# Altium PCB RockerBox_Rev01.PcbDoc (part 1 of 8) (continued)
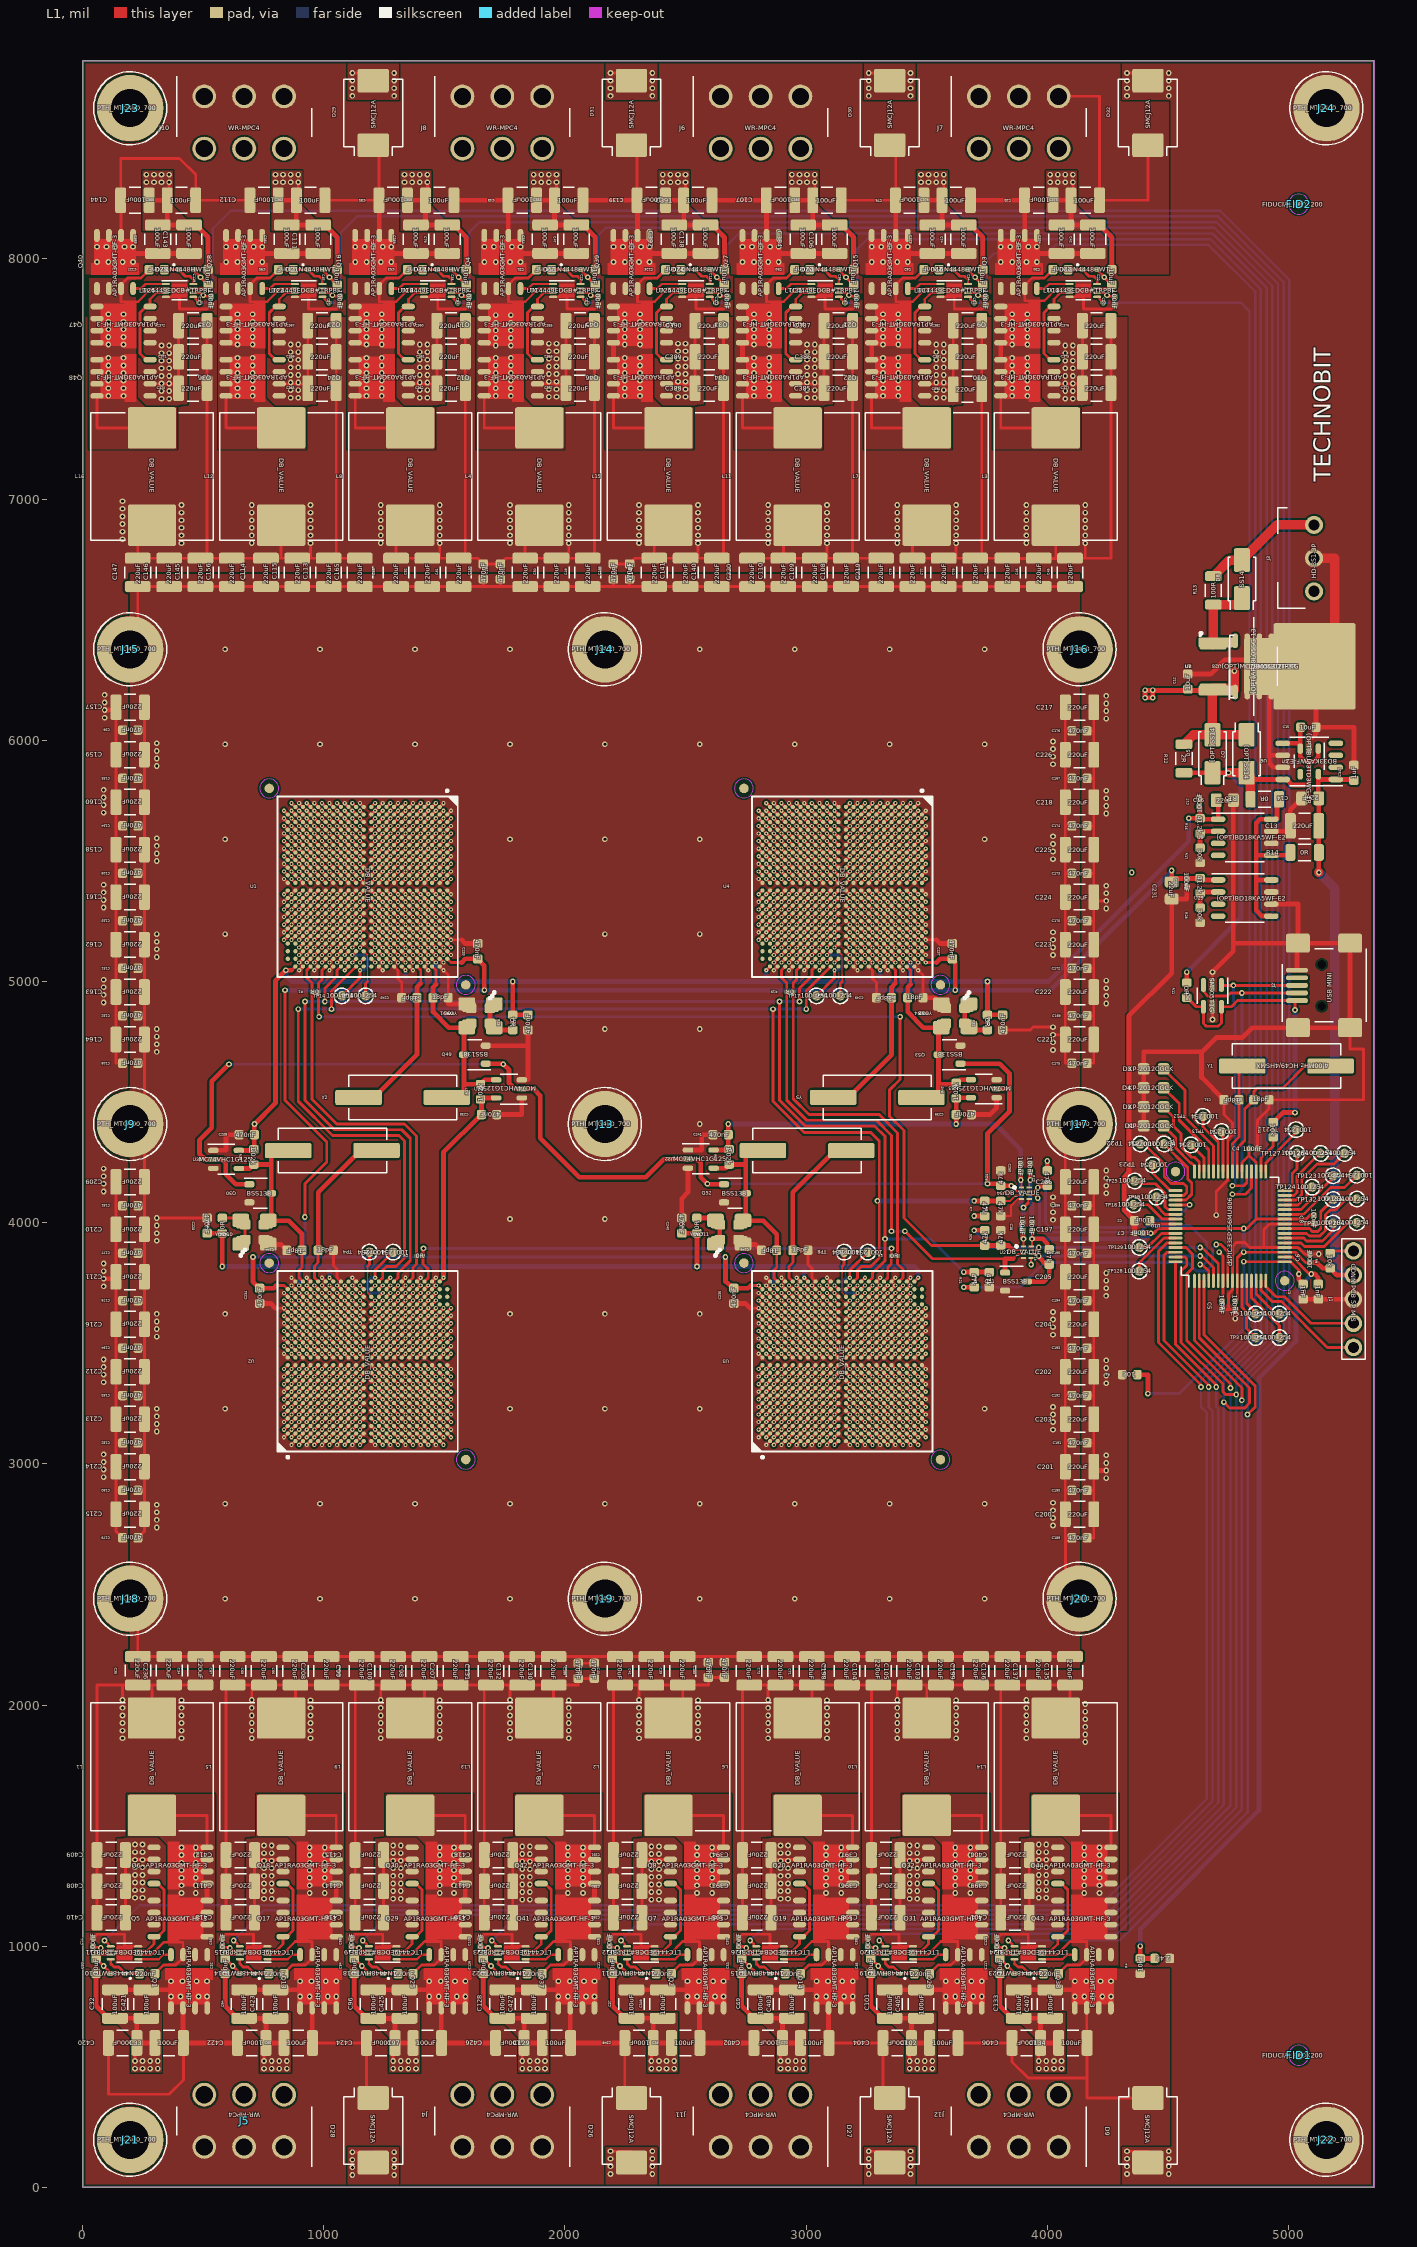
[diagram p0: L1 view]
## Design rules (kind name [scope] priority, off if disabled: settings) (continued)
PlaneConnect "Power Plane Connect Style for J7-4" [(Name='J7-4')] p11: planeconnectstyle=Relief reliefexpansion=13.78 reliefentries=4 reliefconductorwidth=14.96 reliefairgap=10
PlaneConnect "Power Plane Connect Style for J7-3" [(Name='J7-3')] p12: planeconnectstyle=Relief reliefexpansion=13.78 reliefentries=4 reliefconductorwidth=14.96 reliefairgap=10
PlaneConnect "Power Plane Connect Style for J7-2" [(Name='J7-2')] p13: planeconnectstyle=Relief reliefexpansion=13.78 reliefentries=4 reliefconductorwidth=14.96 reliefairgap=10
PlaneConnect "Power Plane Connect Style for J7-1" [(Name='J7-1')] p14: planeconnectstyle=Relief reliefexpansion=13.78 reliefentries=4 reliefconductorwidth=14.96 reliefairgap=10
PlaneConnect "Power Plane Connect Style for J6-6" [(Name='J6-6')] p15: planeconnectstyle=Relief reliefexpansion=13.78 reliefentries=4 reliefconductorwidth=14.96 reliefairgap=10
PlaneConnect "Power Plane Connect Style for J6-5" [(Name='J6-5')] p16: planeconnectstyle=Relief reliefexpansion=13.78 reliefentries=4 reliefconductorwidth=14.96 reliefairgap=10
PlaneConnect "Power Plane Connect Style for J6-4" [(Name='J6-4')] p17: planeconnectstyle=Relief reliefexpansion=13.78 reliefentries=4 reliefconductorwidth=14.96 reliefairgap=10
PlaneConnect "Power Plane Connect Style for J6-3" [(Name='J6-3')] p18: planeconnectstyle=Relief reliefexpansion=13.78 reliefentries=4 reliefconductorwidth=14.96 reliefairgap=10
PlaneConnect "Power Plane Connect Style for J6-2" [(Name='J6-2')] p19: planeconnectstyle=Relief reliefexpansion=13.78 reliefentries=4 reliefconductorwidth=14.96 reliefairgap=10
PlaneConnect "Power Plane Connect Style for J6-1" [(Name='J6-1')] p20: planeconnectstyle=Relief reliefexpansion=13.78 reliefentries=4 reliefconductorwidth=14.96 reliefairgap=10
PlaneConnect "Power Plane Connect Style for J5-6" [(Name='J5-6')] p21: planeconnectstyle=Relief reliefexpansion=13.78 reliefentries=4 reliefconductorwidth=14.96 reliefairgap=10
PlaneConnect "Power Plane Connect Style for J5-5" [(Name='J5-5')] p22: planeconnectstyle=Relief reliefexpansion=13.78 reliefentries=4 reliefconductorwidth=14.96 reliefairgap=10
PlaneConnect "Power Plane Connect Style for J5-4" [(Name='J5-4')] p23: planeconnectstyle=Relief reliefexpansion=13.78 reliefentries=4 reliefconductorwidth=14.96 reliefairgap=10
PlaneConnect "Power Plane Connect Style for J5-3" [(Name='J5-3')] p24: planeconnectstyle=Relief reliefexpansion=13.78 reliefentries=4 reliefconductorwidth=14.96 reliefairgap=10
PlaneConnect "Power Plane Connect Style for J5-2" [(Name='J5-2')] p25: planeconnectstyle=Relief reliefexpansion=13.78 reliefentries=4 reliefconductorwidth=14.96 reliefairgap=10
PlaneConnect "Power Plane Connect Style for J5-1" [(Name='J5-1')] p26: planeconnectstyle=Relief reliefexpansion=13.78 reliefentries=4 reliefconductorwidth=14.96 reliefairgap=10
PlaneConnect "Power Plane Connect Style for J4-6" [(Name='J4-6')] p27: planeconnectstyle=Relief reliefexpansion=13.78 reliefentries=4 reliefconductorwidth=14.96 reliefairgap=10
PlaneConnect "Power Plane Connect Style for J4-5" [(Name='J4-5')] p28: planeconnectstyle=Relief reliefexpansion=13.78 reliefentries=4 reliefconductorwidth=14.96 reliefairgap=10
PlaneConnect "Power Plane Connect Style for J4-4" [(Name='J4-4')] p29: planeconnectstyle=Relief reliefexpansion=13.78 reliefentries=4 reliefconductorwidth=14.96 reliefairgap=10
PlaneConnect "Power Plane Connect Style for J4-3" [(Name='J4-3')] p30: planeconnectstyle=Relief reliefexpansion=13.78 reliefentries=4 reliefconductorwidth=14.96 reliefairgap=10
PlaneConnect "Power Plane Connect Style for J4-2" [(Name='J4-2')] p31: planeconnectstyle=Relief reliefexpansion=13.78 reliefentries=4 reliefconductorwidth=14.96 reliefairgap=10
PlaneConnect "Power Plane Connect Style for J4-1" [(Name='J4-1')] p32: planeconnectstyle=Relief reliefexpansion=13.78 reliefentries=4 reliefconductorwidth=14.96 reliefairgap=10
PlaneConnect "Power Plane Connect Style for J3-1" [(Name='J3-1')] p33: planeconnectstyle=Relief reliefexpansion=11.81 reliefentries=4 reliefconductorwidth=11.42 reliefairgap=7.87
PlaneConnect "Power Plane Connect Style for J24-1" [(Name='J24-1')] p34: planeconnectstyle=Relief reliefexpansion=11.81 reliefentries=4 reliefconductorwidth=27.56 reliefairgap=10
PlaneConnect "Power Plane Connect Style for J23-1" [(Name='J23-1')] p35: planeconnectstyle=Relief reliefexpansion=11.81 reliefentries=4 reliefconductorwidth=27.56 reliefairgap=10
PlaneConnect "Power Plane Connect Style for J22-1" [(Name='J22-1')] p36: planeconnectstyle=Relief reliefexpansion=11.81 reliefentries=4 reliefconductorwidth=27.56 reliefairgap=10
PlaneConnect "Power Plane Connect Style for J21-1" [(Name='J21-1')] p37: planeconnectstyle=Relief reliefexpansion=11.81 reliefentries=4 reliefconductorwidth=27.56 reliefairgap=10
PlaneConnect "Power Plane Connect Style for J20-1" [(Name='J20-1')] p38: planeconnectstyle=Relief reliefexpansion=11.81 reliefentries=4 reliefconductorwidth=27.56 reliefairgap=10
PlaneConnect "Power Plane Connect Style - pads with no thermal" [(Name='J2-10') Or (Name='J2-11')] p39: planeconnectstyle=NoConnect reliefexpansion=20 reliefentries=4 reliefconductorwidth=10 reliefairgap=10 // PAD - No Thermal Connect Rule
PlaneConnect "Power Plane Connect Style for J19-1" [(Name='J19-1')] p40: planeconnectstyle=Relief reliefexpansion=11.81 reliefentries=4 reliefconductorwidth=27.56 reliefairgap=10
PlaneConnect "Power Plane Connect Style for J18-1" [(Name='J18-1')] p41: planeconnectstyle=Relief reliefexpansion=11.81 reliefentries=4 reliefconductorwidth=27.56 reliefairgap=10
PlaneConnect "Power Plane Connect Style for J17-1" [(Name='J17-1')] p42: planeconnectstyle=Relief reliefexpansion=11.81 reliefentries=4 reliefconductorwidth=27.56 reliefairgap=10
PlaneConnect "Power Plane Connect Style for J16-1" [(Name='J16-1')] p43: planeconnectstyle=Relief reliefexpansion=11.81 reliefentries=4 reliefconductorwidth=27.56 reliefairgap=10
PlaneConnect "Power Plane Connect Style for J15-1" [(Name='J15-1')] p44: planeconnectstyle=Relief reliefexpansion=11.81 reliefentries=4 reliefconductorwidth=27.56 reliefairgap=10
PlaneConnect "Power Plane Connect Style for J14-1" [(Name='J14-1')] p45: planeconnectstyle=Relief reliefexpansion=11.81 reliefentries=4 reliefconductorwidth=27.56 reliefairgap=10
PlaneConnect "Power Plane Connect Style for J13-1" [(Name='J13-1')] p46: planeconnectstyle=Relief reliefexpansion=11.81 reliefentries=4 reliefconductorwidth=27.56 reliefairgap=10
PlaneConnect "Power Plane Connect Style for J12-6" [(Name='J12-6')] p47: planeconnectstyle=Relief reliefexpansion=13.78 reliefentries=4 reliefconductorwidth=14.96 reliefairgap=10
PlaneConnect "Power Plane Connect Style for J12-5" [(Name='J12-5')] p48: planeconnectstyle=Relief reliefexpansion=13.78 reliefentries=4 reliefconductorwidth=14.96 reliefairgap=10
PlaneConnect "Power Plane Connect Style for J12-4" [(Name='J12-4')] p49: planeconnectstyle=Relief reliefexpansion=13.78 reliefentries=4 reliefconductorwidth=14.96 reliefairgap=10
PlaneConnect "Power Plane Connect Style for J12-3" [(Name='J12-3')] p50: planeconnectstyle=Relief reliefexpansion=13.78 reliefentries=4 reliefconductorwidth=14.96 reliefairgap=10
PlaneConnect "Power Plane Connect Style for J12-2" [(Name='J12-2')] p51: planeconnectstyle=Relief reliefexpansion=13.78 reliefentries=4 reliefconductorwidth=14.96 reliefairgap=10
PlaneConnect "Power Plane Connect Style for J12-1" [(Name='J12-1')] p52: planeconnectstyle=Relief reliefexpansion=13.78 reliefentries=4 reliefconductorwidth=14.96 reliefairgap=10
PlaneConnect "Power Plane Connect Style for J11-6" [(Name='J11-6')] p53: planeconnectstyle=Relief reliefexpansion=13.78 reliefentries=4 reliefconductorwidth=14.96 reliefairgap=10
PlaneConnect "Power Plane Connect Style for J11-5" [(Name='J11-5')] p54: planeconnectstyle=Relief reliefexpansion=13.78 reliefentries=4 reliefconductorwidth=14.96 reliefairgap=10
PlaneConnect "Power Plane Connect Style for J11-4" [(Name='J11-4')] p55: planeconnectstyle=Relief reliefexpansion=13.78 reliefentries=4 reliefconductorwidth=14.96 reliefairgap=10
PlaneConnect "Power Plane Connect Style for J11-3" [(Name='J11-3')] p56: planeconnectstyle=Relief reliefexpansion=13.78 reliefentries=4 reliefconductorwidth=14.96 reliefairgap=10
PlaneConnect "Power Plane Connect Style for J11-2" [(Name='J11-2')] p57: planeconnectstyle=Relief reliefexpansion=13.78 reliefentries=4 reliefconductorwidth=14.96 reliefairgap=10
PlaneConnect "Power Plane Connect Style for J11-1" [(Name='J11-1')] p58: planeconnectstyle=Relief reliefexpansion=13.78 reliefentries=4 reliefconductorwidth=14.96 reliefairgap=10
PlaneConnect "Power Plane Connect Style for J10-6" [(Name='J10-6')] p59: planeconnectstyle=Relief reliefexpansion=13.78 reliefentries=4 reliefconductorwidth=14.96 reliefairgap=10
PlaneConnect "Power Plane Connect Style for J10-5" [(Name='J10-5')] p60: planeconnectstyle=Relief reliefexpansion=13.78 reliefentries=4 reliefconductorwidth=14.96 reliefairgap=10
PlaneConnect "Power Plane Connect Style for J10-4" [(Name='J10-4')] p61: planeconnectstyle=Relief reliefexpansion=13.78 reliefentries=4 reliefconductorwidth=14.96 reliefairgap=10
PlaneConnect "Power Plane Connect Style for J10-3" [(Name='J10-3')] p62: planeconnectstyle=Relief reliefexpansion=13.78 reliefentries=4 reliefconductorwidth=14.96 reliefairgap=10
PlaneConnect "Power Plane Connect Style for J10-2" [(Name='J10-2')] p63: planeconnectstyle=Relief reliefexpansion=13.78 reliefentries=4 reliefconductorwidth=14.96 reliefairgap=10
PlaneConnect "Power Plane Connect Style for J10-1" [(Name='J10-1')] p64: planeconnectstyle=Relief reliefexpansion=13.78 reliefentries=4 reliefconductorwidth=14.96 reliefairgap=10
PlaneConnect "Power Plane Connect Style for J1-1" [(Name='J1-1')] p65: planeconnectstyle=Relief reliefexpansion=11.81 reliefentries=4 reliefconductorwidth=11.02 reliefairgap=7.87
PlaneConnect "Power Plane Connect Style - Via from round thru-hole global defaults" [IsVia] p66: planeconnectstyle=Relief reliefexpansion=20 reliefentries=4 reliefconductorwidth=19.68 reliefairgap=10
PlaneConnect "Power Plane Connect Style - Round thru-hole pad from global defaults" [IsPad And OnMultiLayer And (PadShape_MidLayer1 = 'Round') And (PadXSize_MidLayer1 = PadYSize_MidLayer1)] p67: planeconnectstyle=Relief reliefexpansion=20 reliefentries=4 reliefconductorwidth=19.68 reliefairgap=10
PlaneConnect "Power Plane Connect Style - Square thru-hole pad from global defaults" [IsPad And OnMultiLayer And ((PadShape_MidLayer1 = 'Rectangular') Or (PadShape_MidLayer1 = 'Octagonal') Or (PadShape_MidLayer1 = 'Rounded Rectangle')) And (PadXSize_MidLayer1 = PadYSize_MidLayer1)] p68: planeconnectstyle=Relief reliefexpansion=20 reliefentries=4 reliefconductorwidth=19.68 reliefairgap=10
PlaneConnect "Power Plane Connect Style - Rect thru-hole pad from global defaults" [IsPad And OnMultiLayer And ((PadShape_MidLayer1 = 'Rectangular') Or (PadShape_MidLayer1 = 'Octagonal') Or (PadShape_MidLayer1 = 'Rounded Rectangle')) And (PadXSize_MidLayer1 <> PadYSize_MidLayer1)] p69: planeconnectstyle=Relief reliefexpansion=20 reliefentries=4 reliefconductorwidth=19.68 reliefairgap=10
PlaneConnect "Power Plane Connect Style - Square-rect thru-hole pad from global defaults" [IsPad And OnMultiLayer And (PadShape_MidLayer1 = 'Rounded Rectangle') And (PadXSize_MidLayer1 = PadYSize_MidLayer1) And (Pad_CornerRadius_MidLayer1 = '0%')] p70: planeconnectstyle=Relief reliefexpansion=20 reliefentries=4 reliefconductorwidth=19.68 reliefairgap=10
PlaneConnect "Power Plane Connect Style - Oval thru-hole pad from global defaults" [IsPad And OnMultiLayer And (PadShape_MidLayer1 = 'Round') And (PadXSize_MidLayer1 <> PadYSize_MidLayer1)] p71: planeconnectstyle=Relief reliefexpansion=20 reliefentries=4 reliefconductorwidth=19.68 reliefairgap=10
PlaneConnect "Power Plane Connect Style - Round-oval thru-hole pad from global defaults" [IsPad And OnMultiLayer And (PadShape_MidLayer1 = 'Rounded Rectangle') And (PadXSize_MidLayer1 = PadYSize_MidLayer1) And (Pad_CornerRadius_MidLayer1 = '100%')] p72: planeconnectstyle=Relief reliefexpansion=20 reliefentries=4 reliefconductorwidth=19.68 reliefairgap=10
PolygonConnect PolygonConnect_1 [All] p1: connectstyle=Direct reliefconductorwidth=10 reliefentries=4 polygonreliefangle="90 Angle" airgapwidth=10
PolygonConnect "Polygon Connect Style - L4 Round SMD from global defaults" [IsSMTPin And (PadShape_BottomLayer = 'Round') And (PadXSize_BottomLayer = PADYSize_BottomLayer) vs Layer = 'L4'] p2: connectstyle=Relief reliefconductorwidth=11.81 reliefentries=4 polygonreliefangle="45 Angle" airgapwidth=10
PolygonConnect "Polygon Connect Style - L1 Round SMD from global defaults" [IsSMTPin And (PadShape_TopLayer = 'Round') And (PadXSize_TopLayer = PADYSize_TopLayer) vs Layer = 'L1'] p3: connectstyle=Relief reliefconductorwidth=11.81 reliefentries=4 polygonreliefangle="45 Angle" airgapwidth=10
PolygonConnect "Polygon Connect Style - L4 Square SMD from global defaults 1" [IsSMTPin And (PadShape_BottomLayer = 'Rectangular') And (PadXSize_BottomLayer = PADYSize_BottomLayer) vs Layer = 'L4'] p4: connectstyle=Relief reliefconductorwidth=11.81 reliefentries=4 polygonreliefangle="90 Angle" airgapwidth=10
PolygonConnect "Polygon Connect Style - L4 Square SMD from global defaults 2" [IsSMTPin And (PadShape_BottomLayer = 'Octagonal') And (PadXSize_BottomLayer = PADYSize_BottomLayer) vs Layer = 'L4'] p5: connectstyle=Relief reliefconductorwidth=11.81 reliefentries=4 polygonreliefangle="90 Angle" airgapwidth=10
PolygonConnect "Polygon Connect Style - L4 Square SMD from global defaults 3" [IsSMTPin And (PadShape_BottomLayer = 'Rounded Rectangle') And (PadXSize_BottomLayer = PADYSize_BottomLayer) vs Layer = 'L4'] p6: connectstyle=Relief reliefconductorwidth=11.81 reliefentries=4 polygonreliefangle="90 Angle" airgapwidth=10
PolygonConnect "Polygon Connect Style - L1 Square SMD from global defaults 1" [IsSMTPin And (PadShape_TopLayer = 'Rectangular') And (PadXSize_TopLayer = PADYSize_TopLayer) vs Layer = 'L1'] p7: connectstyle=Relief reliefconductorwidth=11.81 reliefentries=4 polygonreliefangle="90 Angle" airgapwidth=10
PolygonConnect "Polygon Connect Style - L1 Square SMD from global defaults 2" [IsSMTPin And (PadShape_TopLayer = 'Octagonal') And (PadXSize_TopLayer = PADYSize_TopLayer) vs Layer = 'L1'] p8: connectstyle=Relief reliefconductorwidth=11.81 reliefentries=4 polygonreliefangle="90 Angle" airgapwidth=10
PolygonConnect "Polygon Connect Style - L1 Square SMD from global defaults 3" [IsSMTPin And (PadShape_TopLayer = 'Rounded Rectangle') And (PadXSize_TopLayer = PADYSize_TopLayer) vs Layer = 'L1'] p9: connectstyle=Relief reliefconductorwidth=11.81 reliefentries=4 polygonreliefangle="90 Angle" airgapwidth=10
PolygonConnect "Polygon Connect Style - L4 Rect SMD from global defaults 1" [IsSMTPin And (PadShape_BottomLayer = 'Rectangular') And (PadXSize_BottomLayer <> PADYSize_BottomLayer) vs Layer = 'L4'] p10: connectstyle=Relief reliefconductorwidth=11.81 reliefentries=4 polygonreliefangle="90 Angle" airgapwidth=10
PolygonConnect "Polygon Connect Style - L4 Rect SMD from global defaults 2" [IsSMTPin And (PadShape_BottomLayer = 'Octagonal') And (PadXSize_BottomLayer <> PADYSize_BottomLayer) vs Layer = 'L4'] p11: connectstyle=Relief reliefconductorwidth=11.81 reliefentries=4 polygonreliefangle="90 Angle" airgapwidth=10
PolygonConnect "Polygon Connect Style - L4 Rect SMD from global defaults 3" [IsSMTPin And (PadShape_BottomLayer = 'Rounded Rectangle') And (PadXSize_BottomLayer <> PADYSize_BottomLayer) vs Layer = 'L4'] p12: connectstyle=Relief reliefconductorwidth=11.81 reliefentries=4 polygonreliefangle="90 Angle" airgapwidth=10
PolygonConnect "Polygon Connect Style - L4 Square-rect SMD pad from global defaults" [IsSMTPin And (PadShape_BottomLayer = 'Rounded Rectangle') And (PadXSize_BottomLayer = PADYSize_BottomLayer) And (Pad_CornerRadius_BottomLayer = '0%') vs Layer = 'L4'] p13: connectstyle=Relief reliefconductorwidth=11.81 reliefentries=4 polygonreliefangle="90 Angle" airgapwidth=10
PolygonConnect "Polygon Connect Style - L1 Rect SMD from global defaults 1" [IsSMTPin And (PadShape_TopLayer = 'Rectangular') And (PadXSize_TopLayer <> PADYSize_TopLayer) vs Layer = 'L1'] p14: connectstyle=Relief reliefconductorwidth=11.81 reliefentries=4 polygonreliefangle="90 Angle" airgapwidth=10
PolygonConnect "Polygon Connect Style - L1 Rect SMD from global defaults 2" [IsSMTPin And (PadShape_TopLayer = 'Octagonal') And (PadXSize_TopLayer <> PADYSize_TopLayer) vs Layer = 'L1'] p15: connectstyle=Relief reliefconductorwidth=11.81 reliefentries=4 polygonreliefangle="90 Angle" airgapwidth=10
PolygonConnect "Polygon Connect Style - L1 Rect SMD from global defaults 3" [IsSMTPin And (PadShape_TopLayer = 'Rounded Rectangle') And (PadXSize_TopLayer <> PADYSize_TopLayer) vs Layer = 'L1'] p16: connectstyle=Relief reliefconductorwidth=11.81 reliefentries=4 polygonreliefangle="90 Angle" airgapwidth=10
PolygonConnect "Polygon Connect Style - L1 Square-rect SMD pad from global defaults" [IsSMTPin And (PadShape_TopLayer = 'Rounded Rectangle') And (PadXSize_TopLayer = PADYSize_TopLayer) And (Pad_CornerRadius_TopLayer = '0%') vs Layer = 'L1'] p17: connectstyle=Relief reliefconductorwidth=11.81 reliefentries=4 polygonreliefangle="90 Angle" airgapwidth=10
PolygonConnect "Polygon Connect Style - L4 Oval SMD from global defaults" [IsSMTPin And (PadShape_BottomLayer = 'Round') And (PadXSize_BottomLayer <> PADYSize_BottomLayer) vs Layer = 'L4'] p18: connectstyle=Relief reliefconductorwidth=11.81 reliefentries=4 polygonreliefangle="45 Angle" airgapwidth=10
PolygonConnect "Polygon Connect Style - L4 Round-oval SMD pad from global defaults" [IsSMTPin And (PadShape_BottomLayer = 'Rounded Rectangle') And (PadXSize_BottomLayer = PADYSize_BottomLayer) And (Pad_CornerRadius_BottomLayer = '100%') vs Layer = 'L4'] p19: connectstyle=Relief reliefconductorwidth=11.81 reliefentries=4 polygonreliefangle="45 Angle" airgapwidth=10
PolygonConnect "Polygon Connect Style - L1 Oval SMD from global defaults" [IsSMTPin And (PadShape_TopLayer = 'Round') And (PadXSize_TopLayer <> PADYSize_TopLayer) vs Layer = 'L1'] p20: connectstyle=Relief reliefconductorwidth=11.81 reliefentries=4 polygonreliefangle="45 Angle" airgapwidth=10
PolygonConnect "Polygon Connect Style - L1 Round-oval SMD pad from global defaults" [IsSMTPin And (PadShape_TopLayer = 'Rounded Rectangle') And (PadXSize_TopLayer = PADYSize_TopLayer) And (Pad_CornerRadius_TopLayer = '100%') vs Layer = 'L1'] p21: connectstyle=Relief reliefconductorwidth=11.81 reliefentries=4 polygonreliefangle="45 Angle" airgapwidth=10
PolygonConnect "Polygon Connect Style - Via from round thru-hole global defaults_65" [IsVia] p22: connectstyle=Direct reliefconductorwidth=19.68 reliefentries=4 polygonreliefangle="90 Angle" airgapwidth=10
PolygonConnect "Polygon Connect Style - L4 Round thru-hole pad from global defaults" [IsPad And OnMultiLayer And (PadShape_BottomLayer = 'Round') And (PadXSize_BottomLayer = PADYSize_BottomLayer) vs Layer = 'L4'] p23: connectstyle=Relief reliefconductorwidth=19.68 reliefentries=4 polygonreliefangle="90 Angle" airgapwidth=10
PolygonConnect "Polygon Connect Style - Via from round thru-hole global defaults_64" [IsVia] p24: connectstyle=Direct reliefconductorwidth=19.68 reliefentries=4 polygonreliefangle="90 Angle" airgapwidth=10
PolygonConnect "Polygon Connect Style - L3 Round thru-hole pad from global defaults" [IsPad And OnMultiLayer And (PadShape_MidLayer2 = 'Round') And (PadXSize_MidLayer2 = PADYSize_MidLayer2) vs Layer = 'L3'] p25: connectstyle=Relief reliefconductorwidth=19.68 reliefentries=4 polygonreliefangle="90 Angle" airgapwidth=10
PolygonConnect "Polygon Connect Style - Via from round thru-hole global defaults_63" [IsVia] p26: connectstyle=Direct reliefconductorwidth=19.68 reliefentries=4 polygonreliefangle="90 Angle" airgapwidth=10
PolygonConnect "Polygon Connect Style - L2 Round thru-hole pad from global defaults" [IsPad And OnMultiLayer And (PadShape_MidLayer1 = 'Round') And (PadXSize_MidLayer1 = PADYSize_MidLayer1) vs Layer = 'L2'] p27: connectstyle=Relief reliefconductorwidth=19.68 reliefentries=4 polygonreliefangle="90 Angle" airgapwidth=10
PolygonConnect "Polygon Connect Style - Via from round thru-hole global defaults" [IsVia] p28: connectstyle=Direct reliefconductorwidth=19.68 reliefentries=4 polygonreliefangle="90 Angle" airgapwidth=10
PolygonConnect "Polygon Connect Style - L1 Round thru-hole pad from global defaults" [IsPad And OnMultiLayer And (PadShape_TopLayer = 'Round') And (PadXSize_TopLayer = PADYSize_TopLayer) vs Layer = 'L1'] p29: connectstyle=Relief reliefconductorwidth=19.68 reliefentries=4 polygonreliefangle="90 Angle" airgapwidth=10
PolygonConnect "Polygon Connect Style - L4 Square thru-hole pad from global defaults" [IsPad And OnMultiLayer And ((PadShape_BottomLayer = 'Rectangular') Or (PadShape_BottomLayer = 'Octagonal') Or (PadShape_BottomLayer = 'Rounded Rectangle')) And (PadXSize_BottomLayer = PADYSize_BottomLayer) vs Layer = 'L4'] p30: connectstyle=Relief reliefconductorwidth=19.68 reliefentries=4 polygonreliefangle="90 Angle" airgapwidth=10
PolygonConnect "Polygon Connect Style - L3 Square thru-hole pad from global defaults" [IsPad And OnMultiLayer And ((PadShape_MidLayer2 = 'Rectangular') Or (PadShape_MidLayer2 = 'Octagonal') Or (PadShape_MidLayer2 = 'Rounded Rectangle')) And (PadXSize_MidLayer2 = PADYSize_MidLayer2) vs Layer = 'L3'] p31: connectstyle=Relief reliefconductorwidth=19.68 reliefentries=4 polygonreliefangle="90 Angle" airgapwidth=10
PolygonConnect "Polygon Connect Style - L2 Square thru-hole pad from global defaults" [IsPad And OnMultiLayer And ((PadShape_MidLayer1 = 'Rectangular') Or (PadShape_MidLayer1 = 'Octagonal') Or (PadShape_MidLayer1 = 'Rounded Rectangle')) And (PadXSize_MidLayer1 = PADYSize_MidLayer1) vs Layer = 'L2'] p32: connectstyle=Relief reliefconductorwidth=19.68 reliefentries=4 polygonreliefangle="90 Angle" airgapwidth=10
PolygonConnect "Polygon Connect Style - L1 Square thru-hole pad from global defaults" [IsPad And OnMultiLayer And ((PadShape_TopLayer = 'Rectangular') Or (PadShape_TopLayer = 'Octagonal') Or (PadShape_TopLayer = 'Rounded Rectangle')) And (PadXSize_TopLayer = PADYSize_TopLayer) vs Layer = 'L1'] p33: connectstyle=Relief reliefconductorwidth=19.68 reliefentries=4 polygonreliefangle="90 Angle" airgapwidth=10
PolygonConnect "Polygon Connect Style - L4 Rect thru-hole pad from global defaults" [IsPad And OnMultiLayer And ((PadShape_BottomLayer = 'Rectangular') Or (PadShape_BottomLayer = 'Octagonal') Or (PadShape_BottomLayer = 'Rounded Rectangle')) And (PadXSize_BottomLayer <> PADYSize_BottomLayer) vs Layer = 'L4'] p34: connectstyle=Relief reliefconductorwidth=19.68 reliefentries=4 polygonreliefangle="90 Angle" airgapwidth=10
PolygonConnect "Polygon Connect Style - L4 Square-rect thru-hole pad from global defaults" [IsPad And OnMultiLayer And (PadShape_BottomLayer = 'Rounded Rectangle') And (PadXSize_BottomLayer = PADYSize_BottomLayer) And (Pad_CornerRadius_BottomLayer = '0%') vs Layer = 'L4'] p35: connectstyle=Relief reliefconductorwidth=19.68 reliefentries=4 polygonreliefangle="90 Angle" airgapwidth=10
PolygonConnect "Polygon Connect Style - L3 Rect thru-hole pad from global defaults" [IsPad And OnMultiLayer And ((PadShape_MidLayer2 = 'Rectangular') Or (PadShape_MidLayer2 = 'Octagonal') Or (PadShape_MidLayer2 = 'Rounded Rectangle')) And (PadXSize_MidLayer2 <> PADYSize_MidLayer2) vs Layer = 'L3'] p36: connectstyle=Relief reliefconductorwidth=19.68 reliefentries=4 polygonreliefangle="90 Angle" airgapwidth=10
PolygonConnect "Polygon Connect Style - L3 Square-rect thru-hole pad from global defaults" [IsPad And OnMultiLayer And (PadShape_MidLayer2 = 'Rounded Rectangle') And (PadXSize_MidLayer2 = PADYSize_MidLayer2) And (Pad_CornerRadius_MidLayer2 = '0%') vs Layer = 'L3'] p37: connectstyle=Relief reliefconductorwidth=19.68 reliefentries=4 polygonreliefangle="90 Angle" airgapwidth=10
PolygonConnect "Polygon Connect Style - L2 Rect thru-hole pad from global defaults" [IsPad And OnMultiLayer And ((PadShape_MidLayer1 = 'Rectangular') Or (PadShape_MidLayer1 = 'Octagonal') Or (PadShape_MidLayer1 = 'Rounded Rectangle')) And (PadXSize_MidLayer1 <> PADYSize_MidLayer1) vs Layer = 'L2'] p38: connectstyle=Relief reliefconductorwidth=19.68 reliefentries=4 polygonreliefangle="90 Angle" airgapwidth=10
PolygonConnect "Polygon Connect Style - L2 Square-rect thru-hole pad from global defaults" [IsPad And OnMultiLayer And (PadShape_MidLayer1 = 'Rounded Rectangle') And (PadXSize_MidLayer1 = PADYSize_MidLayer1) And (Pad_CornerRadius_MidLayer1 = '0%') vs Layer = 'L2'] p39: connectstyle=Relief reliefconductorwidth=19.68 reliefentries=4 polygonreliefangle="90 Angle" airgapwidth=10
PolygonConnect "Polygon Connect Style - L1 Rect thru-hole pad from global defaults" [IsPad And OnMultiLayer And ((PadShape_TopLayer = 'Rectangular') Or (PadShape_TopLayer = 'Octagonal') Or (PadShape_TopLayer = 'Rounded Rectangle')) And (PadXSize_TopLayer <> PADYSize_TopLayer) vs Layer = 'L1'] p40: connectstyle=Relief reliefconductorwidth=19.68 reliefentries=4 polygonreliefangle="90 Angle" airgapwidth=10
PolygonConnect "Polygon Connect Style - L1 Square-rect thru-hole pad from global defaults" [IsPad And OnMultiLayer And (PadShape_TopLayer = 'Rounded Rectangle') And (PadXSize_TopLayer = PADYSize_TopLayer) And (Pad_CornerRadius_TopLayer = '0%') vs Layer = 'L1'] p41: connectstyle=Relief reliefconductorwidth=19.68 reliefentries=4 polygonreliefangle="90 Angle" airgapwidth=10
PolygonConnect "Polygon Connect Style - L4 Oval thru-hole pad from global defaults" [IsPad And OnMultiLayer And (PadShape_BottomLayer = 'Round') And (PadXSize_BottomLayer <> PADYSize_BottomLayer) vs Layer = 'L4'] p42: connectstyle=Relief reliefconductorwidth=19.68 reliefentries=4 polygonreliefangle="90 Angle" airgapwidth=10
PolygonConnect "Polygon Connect Style - L4 Round-oval thru-hole pad from global defaults" [IsPad And OnMultiLayer And (PadShape_BottomLayer = 'Rounded Rectangle') And (PadXSize_BottomLayer = PADYSize_BottomLayer) And (Pad_CornerRadius_BottomLayer = '100%') vs Layer = 'L4'] p43: connectstyle=Relief reliefconductorwidth=19.68 reliefentries=4 polygonreliefangle="90 Angle" airgapwidth=10
PolygonConnect "Polygon Connect Style - L3 Oval thru-hole pad from global defaults" [IsPad And OnMultiLayer And (PadShape_MidLayer2 = 'Round') And (PadXSize_MidLayer2 <> PADYSize_MidLayer2) vs Layer = 'L3'] p44: connectstyle=Relief reliefconductorwidth=19.68 reliefentries=4 polygonreliefangle="90 Angle" airgapwidth=10
PolygonConnect "Polygon Connect Style - L3 Round-oval thru-hole pad from global defaults" [IsPad And OnMultiLayer And (PadShape_MidLayer2 = 'Rounded Rectangle') And (PadXSize_MidLayer2 = PADYSize_MidLayer2) And (Pad_CornerRadius_MidLayer2 = '100%') vs Layer = 'L3'] p45: connectstyle=Relief reliefconductorwidth=19.68 reliefentries=4 polygonreliefangle="90 Angle" airgapwidth=10
PolygonConnect "Polygon Connect Style - L2 Oval thru-hole pad from global defaults" [IsPad And OnMultiLayer And (PadShape_MidLayer1 = 'Round') And (PadXSize_MidLayer1 <> PADYSize_MidLayer1) vs Layer = 'L2'] p46: connectstyle=Relief reliefconductorwidth=19.68 reliefentries=4 polygonreliefangle="90 Angle" airgapwidth=10
PolygonConnect "Polygon Connect Style - L2 Round-oval thru-hole pad from global defaults" [IsPad And OnMultiLayer And (PadShape_MidLayer1 = 'Rounded Rectangle') And (PadXSize_MidLayer1 = PADYSize_MidLayer1) And (Pad_CornerRadius_MidLayer1 = '100%') vs Layer = 'L2'] p47: connectstyle=Relief reliefconductorwidth=19.68 reliefentries=4 polygonreliefangle="90 Angle" airgapwidth=10
PolygonConnect "Polygon Connect Style - L1 Oval thru-hole pad from global defaults" [IsPad And OnMultiLayer And (PadShape_TopLayer = 'Round') And (PadXSize_TopLayer <> PADYSize_TopLayer) vs Layer = 'L1'] p48: connectstyle=Relief reliefconductorwidth=19.68 reliefentries=4 polygonreliefangle="90 Angle" airgapwidth=10
PolygonConnect "Polygon Connect Style - L1 Round-oval thru-hole pad from global defaults" [IsPad And OnMultiLayer And (PadShape_TopLayer = 'Rounded Rectangle') And (PadXSize_TopLayer = PADYSize_TopLayer) And (Pad_CornerRadius_TopLayer = '100%') vs Layer = 'L1'] p49: connectstyle=Relief reliefconductorwidth=19.68 reliefentries=4 polygonreliefangle="90 Angle" airgapwidth=10
PolygonConnect [All] p50: connectstyle=Relief reliefconductorwidth=10 reliefentries=4 polygonreliefangle="90 Angle" airgapwidth=10
RoomDefinition U_CPU_Power [InComponentClass('U_CPU_Power')] p1: confinementstyle=ConfineIn formatcopy=TRUE lockcomponents=FALSE outline -27240.16,-25631.89 -25240.16,-25631.89 -25240.16,-24631.89 -27240.16,-24631.89
RoomDefinition U_CPU_Logic [InComponentClass('U_CPU_Logic')] p2: confinementstyle=ConfineIn formatcopy=TRUE lockcomponents=FALSE outline -27240.16,-25631.89 -25240.16,-25631.89 -25240.16,-24631.89 -27240.16,-24631.89
RoomDefinition SMPS [InComponentClass('SMPS')] p3: confinementstyle=ConfineIn formatcopy=TRUE lockcomponents=FALSE outline -27240.16,-25631.89 -25240.16,-25631.89 -25240.16,-24631.89 -27240.16,-24631.89
RoomDefinition MCU [InComponentClass('MCU')] p4: confinementstyle=ConfineIn formatcopy=TRUE lockcomponents=FALSE outline -27240.16,-25631.89 -25240.16,-25631.89 -25240.16,-24631.89 -27240.16,-24631.89
RoutingLayers "'Default' PADS rule_3" [All] p1: top layer_v5=TRUE mid layer 1_v5=TRUE mid layer 2_v5=TRUE bottom layer_v5=TRUE
RoutingPriority "'Default' PADS rule_2" [All] p1: routingpriority=3
RoutingTopology "'Default' PADS rule" [All] p1: topology=Shortest
RoutingVias "'Default' PADS rule_4" [All] p1: holewidth=11.81 width=23.62 viastyle="Through Hole" minholewidth=11.81 minwidth=23.62 maxholewidth=11.81 maxwidth=23.62
SMDToCorner "'All on Layer' PADS rule_50" [OnLayer('L2') vs OnLayer('L2')] p1: distance=39370
SMDToCorner "'All on Layer' PADS rule_35" [OnLayer('L3') vs OnLayer('L3')] p2: distance=39370
SMDToCorner "'Default' PADS rule_17" [All] p3: distance=39370
SMDToPlane "'All on Layer' PADS rule_51" [OnLayer('L2') vs OnLayer('L2')] p1: distance=39370
SMDToPlane "'All on Layer' PADS rule_36" [OnLayer('L3') vs OnLayer('L3')] p2: distance=39370
SMDToPlane "'Default' PADS rule_18" [All] p3: distance=39370
SolderMaskExpansion [All] p1: expansion=4
StubLength "'Default' PADS rule_6" [All] p1: limit=1000
UnpouredPolygon [All] p1: allowunpoured=FALSE
Width "'All on Layer' PADS rule_48" [OnLayer('L2') vs OnLayer('L2')] p1: maxlimit=118.11 minlimit=9.84 preferedwidth=11.81
Width "'All on Layer' PADS rule" [OnLayer('L3') vs OnLayer('L3')] p2: maxlimit=118.11 minlimit=9.84 preferedwidth=11.81
Width "'Default' PADS rule_14" [All] p3: maxlimit=118.11 minlimit=5.12 preferedwidth=19.68
23 further rules are at their usual default settings.

## Classes and differential pairs
component class U_CPU_Power: C19 C36 C148 C149 C150 C151 C152 C153 C154 C155 C156 C157 C158 C159 C160 C161 C162 C163 C164 C165 C166 C167 C169 C170 C171 C172 C173 C174 C175 C176 C177 C178 C179 C180 C181 C182 C183 C184 C185 C186 C187 C188 C189 C190 C191 C192 C193 C194 C195 C196 C197 C198 C199 C200 C201 C202 C203 C204 C205 C206 C207 C208 C209 C210 C211 C212 C213 C214 C215 C216 C217 C218 C219 C220 C221 C222 C223 C224 C225 C226 U1 U2 U3 U4
component class U_CPU_Logic: C227 C228 C229 C230 C233 C234 C235 C237 C238 C239 C240 C241 C242 C243 C244 C245 C246 C247 C248 C249 Q49 Q50 Q52 Q53 R1 R2 R3 R19 R25 R26 R30 R31 R37 R39 R41 R43 TP1 TP4 TP8 TP9 TP14 TP15 TP16 TP17 U30 U31 U32 U33 Y2 Y3 Y4 Y5 YO1 YO2 YO3 YO4 YO5 YO6 YO7 YO8 YO9 YO10 YO11 YO12
component class SMPS: C20 C21 C22 C23 C24 C25 C26 C27 C28 C29 C30 C31 C32 C33 C34 C35 C37 C38 C39 C40 C41 C42 C43 C44 C45 C46 C47 C48 C49 C50 C51 C52 C53 C54 C55 C56 C57 C58 C59 C60 C61 C62 C63 C64 C65 C66 C67 C68 C69 C70 C71 C72 C73 C74 C75 C76 C77 C78 C79 C80 C81 C82 C83 C84 C85 C86 C87 C88 C89 C90 C91 C92 C93 C94 C95 C96 C97 C98 C99 C100 C101 C102 C103 C104 C105 C106 C107 C108 C109 C110 C111 C112 C113 C114 C115 C116 C117 C118 C119 C120 C121 C122 C123 C124 C125 C126 C127 C128 C129 C130 C131 C132 C133 C134 C135 C136 C137 C138 C139 C140 C141 C142 C143 C144 C145 C146 C147 C236 C348 C349 C350 C351 C352 C353 C354 C355 C356 C357 C358 C359 C360 C361 C362 C363 C364 C365 C366 C367 C368 C369 C370 C371 C372 C373 C374 C375 C376 C377 C378 C379 C380 C381 C382 C383 C384 C385 C386 C387 C388 C389 C390 C391 C392 C393 C394 C395 C396 C397 C398 C399 C400 C401 C402 C403 C404 C405 C406 C407 C408 C409 C410 C411 C412 C413 C414 C415 C416 C417 C418 C419 C420 C421 C422 C423 C424 C425 C426 C427 D10 D11 D12 D13 D14 D15 D16 D17 D18 D19 D20 D21 D22 D23 D24 D25 L1 L2 L3 L4 L5 L6 L7 L8 L9 L10 L11 L12 L13 L14 L15 L16 Q1 Q2 Q3 Q4 Q5 Q6 Q7 Q8 Q9 Q10 Q11 Q12 Q13 Q14 Q15 Q16 Q17 Q18 Q19 Q20 Q21 Q22 Q23 Q24 Q25 Q26 Q27 Q28 Q29 Q30 Q31 Q32 Q33 Q34 Q35 Q36 Q37 Q38 Q39 Q40 Q41 Q42 Q43 Q44 Q45 Q46 Q47 Q48 U11 U12 U13 U14 U15 U16 U17 U18 U19 U20 U21 U22 U23 U24 U25 U26
component class MCU: C1 C2 C3 C4 C5 C6 C7 C8 C9 C10 C11 C12 C13 C14 C15 C16 C17 C18 C168 C231 C232 C250 C251 C347 D1 D2 D3 D4 D5 D6 D7 D8 D9 D26 D27 D28 D29 D30 D31 D32 FID1 FID2 J1 J2 J3 J4 J5 J6 J7 J8 J9 J10 J11 J12 J13 J14 J15 J16 J17 J18 J19 J20 J21 J22 J23 J24 Q51 R4 R5 R6 R7 R8 R9 R10 R11 R12 R13 R14 R15 R16 R17 R18 R20 R21 R22 R23 R24 R27 R28 R29 TP2 TP3 TP5 TP6 TP7 TP10 TP11 TP12 TP13 TP18 TP19 TP20 TP21 TP22 TP23 TP24 TP25 TP123 TP124 TP125 TP126 TP127 TP128 TP129 TP131 TP132 U5 U6 U7 U8 U9 U10 U27 U28 U29 U34 Y1

## Components (designator, comment, footprint, x,y, rotation, side; value= is the part's Value field where it differs from the comment)
C1 "1nF" SMD_0603_CAPC1608X95N 5124.02,3714.57 r270 top
C2 "10uF" SMD_0603_CAPC1608X95N 4393.7,4007.87 r180 top
C3 "1nF" SMD_0603_CAPC1608X95N 5061.02,3714.57 r270 top
C4 "100nF" SMD_0402_CAPC1005X55N 4854.33,4307.09 r0 top
C5 "100nF" SMD_0402_CAPC1005X55N 4724.41,3657.48 r270 top
C6 "100nF" SMD_0402_CAPC1005X55N 5088.58,3852.36 r90 top
C7 "100nF" SMD_0402_CAPC1005X55N 4379.92,3956.69 r180 top
C8 "100nF" SMD_0402_CAPC1005X55N 5106.3,4013.78 r270 top
C9 "100nF" SMD_0402_CAPC1005X55N 4779.53,3657.48 r270 top
C10 "18pF" SMD_0603_CAPC1608X95N 4887.8,4509.84 r0 top
C11 "18pF" SMD_0603_CAPC1608X95N 4763.78,4509.84 r180 top
C12 "10uF" SMD_0603_CAPC1608X95N 4582.87,6244.09 r90 top
C13 "220uF" SMD_1210_CAPC3225X279N 5066.93,5645.67 r0 top
C14 "22uF" SMD_0805_CAPC2012X145N 5090.55,5759.84 r180 top
C15 "10uF" SMD_0603_CAPC1608X95N 5082.68,6055.12 r0 top
C16 "22uF" SMD_0805_CAPC2012X145N 4736.22,5751.97 r0 top
C17 "100nF" SMD_0402_CAPC1005X55N 4629.92,5744.09 r90 top
C18 "100nF" SMD_0402_CAPC1005X55N 3897.83,3984.25 r270 top
C19 "470nF" SMD_0603_CAPC1608X95N 1732.28,6700.79 r90 top
C20 "10uF" SMD_0603_CAPC1608X95N 55.12,917.32 r90 top
C21 "10uF" SMD_0603_CAPC1608X95N 2196.85,917.32 r90 top
C22 "10uF" SMD_0603_CAPC1608X95N 4267.72,7921.26 r270 top
C23 "10uF" SMD_0603_CAPC1608X95N 2125.98,7921.26 r270 top
C24 "100nF" SMD_0402_CAPC1005X55N 43.31,1015.75 r90 top
C25 "100nF" SMD_0402_CAPC1005X55N 2185.04,1015.75 r90 top
C26 "100nF" SMD_0402_CAPC1005X55N 4279.53,7822.83 r270 top
C27 "100nF" SMD_0402_CAPC1005X55N 2137.8,7822.83 r270 top
C28 "220nF" SMD_0603_CAPC1608X95N 267.72,885.83 r0 top
C29 "220nF" SMD_0603_CAPC1608X95N 2409.45,885.83 r0 top
C30 "220nF" SMD_0603_CAPC1608X95N 4055.12,7952.76 r180 top
C31 "220nF" SMD_0603_CAPC1608X95N 1913.39,7952.76 r180 top
C32 "100uF" SMD_1210_CAPC3225X270N 133.86,759.84 r90 top
C33 "100uF" SMD_1210_CAPC3225X270N 358.27,598.43 r0 top
C34 "220uF" SMD_1210_CAPC3225X279N 488.5,2142.33 r270 top
C35 "220uF" SMD_1210_CAPC3225X279N 228.66,2142.33 r270 top
C36 "470nF" SMD_0603_CAPC1608X95N 196.85,6043.31 r180 top
C37 "100uF" SMD_1210_CAPC3225X270N 2275.59,759.84 r90 top
C38 "100uF" SMD_1210_CAPC3225X270N 2500,598.43 r0 top
C39 "220uF" SMD_1210_CAPC3225X279N 2488.19,2141.73 r270 top
C40 "220uF" SMD_1210_CAPC3225X279N 2228.35,2141.73 r270 top
C41 "220uF" SMD_1210_CAPC3225X279N 2358.27,2141.73 r270 top
C42 "100uF" SMD_1210_CAPC3225X270N 4188.98,8078.74 r270 top
C43 "100uF" SMD_1210_CAPC3225X270N 3964.57,8240.16 r180 top
C44 "220uF" SMD_1210_CAPC3225X279N 3834.65,6696.85 r90 top
C45 "220uF" SMD_1210_CAPC3225X279N 4094.49,6696.85 r90 top
C46 "220uF" SMD_1210_CAPC3225X279N 3964.57,6696.85 r90 top
C47 "100uF" SMD_1210_CAPC3225X270N 2047.24,8078.74 r270 top
C48 "100uF" SMD_1210_CAPC3225X270N 1822.83,8240.16 r180 top
C49 "220uF" SMD_1210_CAPC3225X279N 2094.49,6696.85 r90 top
C50 "220uF" SMD_1210_CAPC3225X279N 1964.57,6696.85 r90 top
C51 "220uF" SMD_1210_CAPC3225X279N 1834.65,6696.85 r90 top
C52 "10uF" SMD_0603_CAPC1608X95N 590.55,917.32 r90 top
C53 "10uF" SMD_0603_CAPC1608X95N 2732.28,917.32 r90 top
C54 "10uF" SMD_0603_CAPC1608X95N 3732.28,7921.26 r270 top
C55 "10uF" SMD_0603_CAPC1608X95N 1590.55,7921.26 r270 top
C56 "100nF" SMD_0402_CAPC1005X55N 578.74,1015.75 r90 top
C57 "100nF" SMD_0402_CAPC1005X55N 2720.47,1015.75 r90 top
C58 "100nF" SMD_0402_CAPC1005X55N 3744.09,7822.83 r270 top
C59 "100nF" SMD_0402_CAPC1005X55N 1602.36,7822.83 r270 top
C60 "220nF" SMD_0603_CAPC1608X95N 803.15,885.83 r0 top
C61 "220nF" SMD_0603_CAPC1608X95N 2944.88,885.83 r0 top
C62 "220nF" SMD_0603_CAPC1608X95N 3519.68,7952.76 r180 top
C63 "220nF" SMD_0603_CAPC1608X95N 1377.95,7952.76 r180 top
C64 "100uF" SMD_1210_CAPC3225X270N 669.29,759.84 r90 top
C65 "100uF" SMD_1210_CAPC3225X270N 893.7,598.43 r0 top
C66 "220uF" SMD_1210_CAPC3225X279N 881.89,2141.73 r270 top
C67 "220uF" SMD_1210_CAPC3225X279N 622.05,2141.73 r270 top
C68 "220uF" SMD_1210_CAPC3225X279N 751.97,2141.73 r270 top
C69 "100uF" SMD_1210_CAPC3225X270N 2811.02,759.84 r90 top
C70 "100uF" SMD_1210_CAPC3225X270N 3035.43,598.43 r0 top
C71 "220uF" SMD_1210_CAPC3225X279N 3023.62,2141.73 r270 top
C72 "220uF" SMD_1210_CAPC3225X279N 2763.78,2141.73 r270 top
C73 "220uF" SMD_1210_CAPC3225X279N 2893.7,2141.73 r270 top
C74 "100uF" SMD_1210_CAPC3225X270N 3653.54,8078.74 r270 top
C75 "100uF" SMD_1210_CAPC3225X270N 3429.13,8240.16 r180 top
C76 "220uF" SMD_1210_CAPC3225X279N 3700.79,6696.85 r90 top
C77 "220uF" SMD_1210_CAPC3225X279N 3570.87,6696.85 r90 top
C78 "220uF" SMD_1210_CAPC3225X279N 3440.94,6696.85 r90 top
C79 "100uF" SMD_1210_CAPC3225X270N 1511.81,8078.74 r270 top
C80 "100uF" SMD_1210_CAPC3225X270N 1287.4,8240.16 r180 top
C81 "220uF" SMD_1210_CAPC3225X279N 1559.06,6696.85 r90 top
C82 "220uF" SMD_1210_CAPC3225X279N 1429.13,6696.85 r90 top
C83 "220uF" SMD_1210_CAPC3225X279N 1299.21,6696.85 r90 top
C84 "10uF" SMD_0603_CAPC1608X95N 1125.98,917.32 r90 top
C85 "10uF" SMD_0603_CAPC1608X95N 3267.72,917.32 r90 top
C86 "10uF" SMD_0603_CAPC1608X95N 3196.85,7921.26 r270 top
C87 "10uF" SMD_0603_CAPC1608X95N 1055.12,7921.26 r270 top
C88 "100nF" SMD_0402_CAPC1005X55N 1114.17,1015.75 r90 top
C89 "100nF" SMD_0402_CAPC1005X55N 3255.91,1015.75 r90 top
C90 "100nF" SMD_0402_CAPC1005X55N 3208.66,7822.83 r270 top
C91 "100nF" SMD_0402_CAPC1005X55N 1066.93,7822.83 r270 top
C92 "220nF" SMD_0603_CAPC1608X95N 1338.58,885.83 r0 top
C93 "220nF" SMD_0603_CAPC1608X95N 3480.31,885.83 r0 top
C94 "220nF" SMD_0603_CAPC1608X95N 2984.25,7952.76 r180 top
C95 "220nF" SMD_0603_CAPC1608X95N 842.52,7952.76 r180 top
C96 "100uF" SMD_1210_CAPC3225X270N 1204.72,759.84 r90 top
C97 "100uF" SMD_1210_CAPC3225X270N 1429.13,598.43 r0 top
C98 "220uF" SMD_1210_CAPC3225X279N 1417.32,2141.73 r270 top
C99 "220uF" SMD_1210_CAPC3225X279N 1157.48,2141.73 r270 top
C100 "220uF" SMD_1210_CAPC3225X279N 1287.4,2141.73 r270 top
C101 "100uF" SMD_1210_CAPC3225X270N 3346.46,759.84 r90 top
C102 "100uF" SMD_1210_CAPC3225X270N 3570.87,598.43 r0 top
C103 "220uF" SMD_1210_CAPC3225X279N 3559.06,2141.73 r270 top
C104 "220uF" SMD_1210_CAPC3225X279N 3299.21,2141.73 r270 top
C105 "220uF" SMD_1210_CAPC3225X279N 3429.13,2141.73 r270 top
C106 "100uF" SMD_1210_CAPC3225X270N 3118.11,8078.74 r270 top
C107 "100uF" SMD_1210_CAPC3225X270N 2893.7,8240.16 r180 top
C108 "220uF" SMD_1210_CAPC3225X279N 3165.35,6696.85 r90 top
C109 "220uF" SMD_1210_CAPC3225X279N 3035.43,6696.85 r90 top
C110 "220uF" SMD_1210_CAPC3225X279N 2905.51,6696.85 r90 top
C111 "100uF" SMD_1210_CAPC3225X270N 976.38,8078.74 r270 top
C112 "100uF" SMD_1210_CAPC3225X270N 751.97,8240.16 r180 top
C113 "220uF" SMD_1210_CAPC3225X279N 1019.68,6696.85 r90 top
C114 "220uF" SMD_1210_CAPC3225X279N 759.84,6696.85 r90 top
C115 "220uF" SMD_1210_CAPC3225X279N 889.76,6696.85 r90 top
C116 "10uF" SMD_0603_CAPC1608X95N 1661.42,917.32 r90 top
C117 "10uF" SMD_0603_CAPC1608X95N 3803.15,917.32 r90 top
C118 "10uF" SMD_0603_CAPC1608X95N 2661.42,7921.26 r270 top
C119 "10uF" SMD_0603_CAPC1608X95N 519.68,7921.26 r270 top
C120 "100nF" SMD_0402_CAPC1005X55N 1649.61,1015.75 r90 top
C121 "100nF" SMD_0402_CAPC1005X55N 3791.34,1015.75 r90 top